# KiCad board NX-IndicatorBoard.kicad_pcb
title: NX-IndicatorBoard; date: 2023-09-04; rev: 1; company: 971 Spartan Robotics
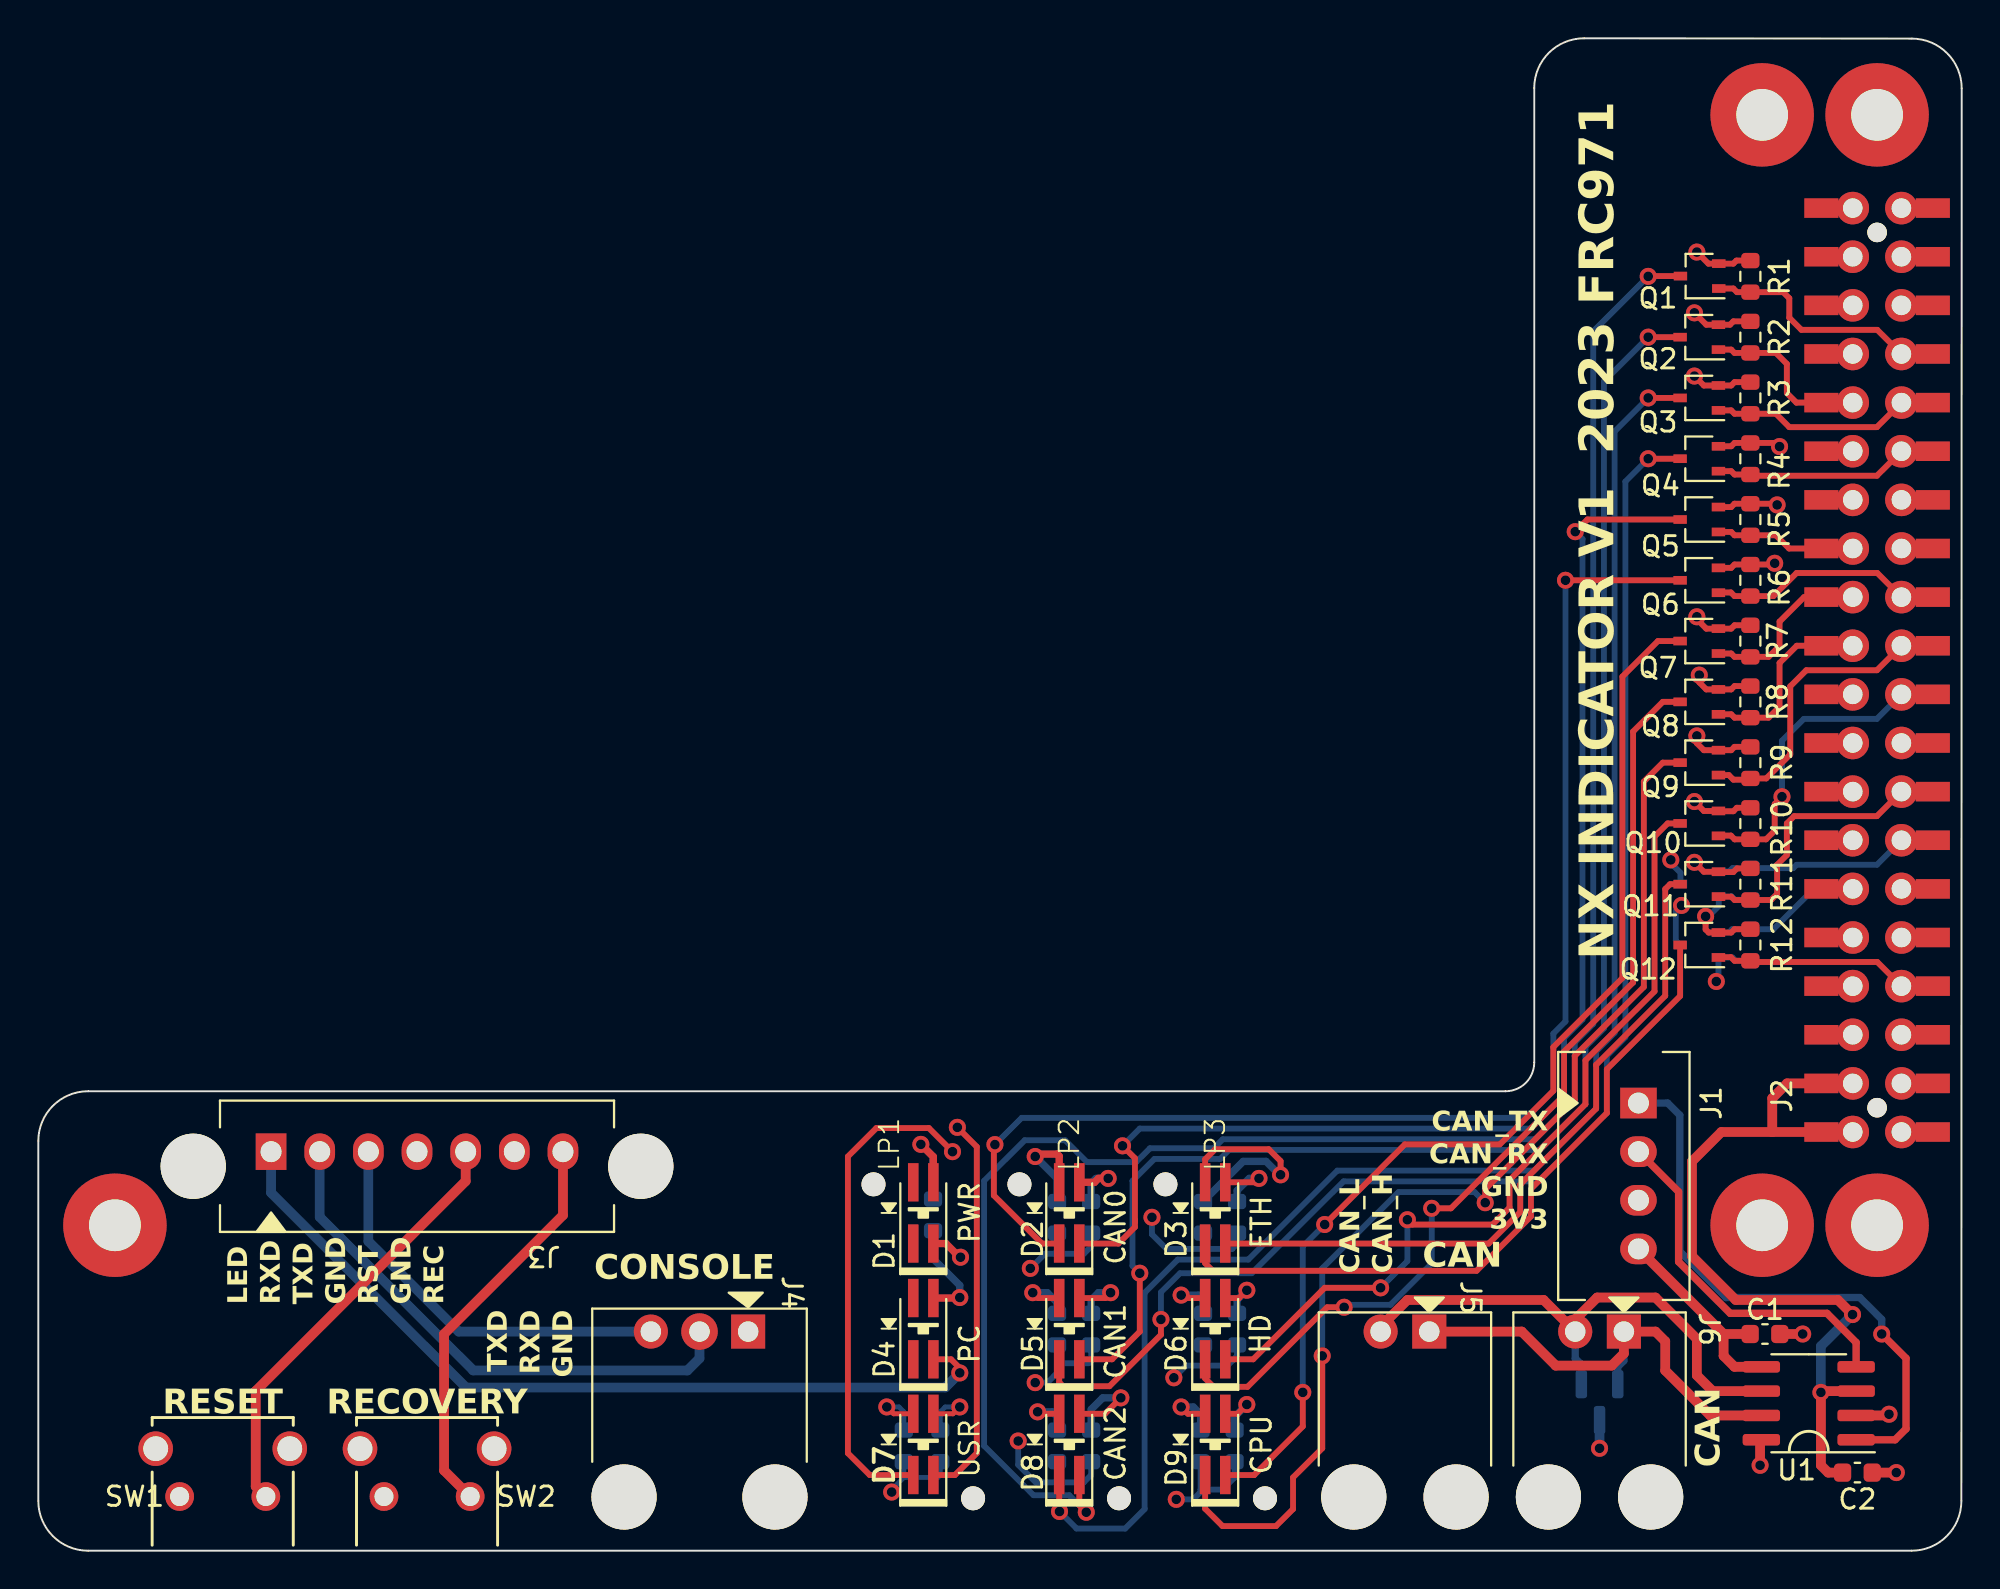
[diagram p0: board, top side]
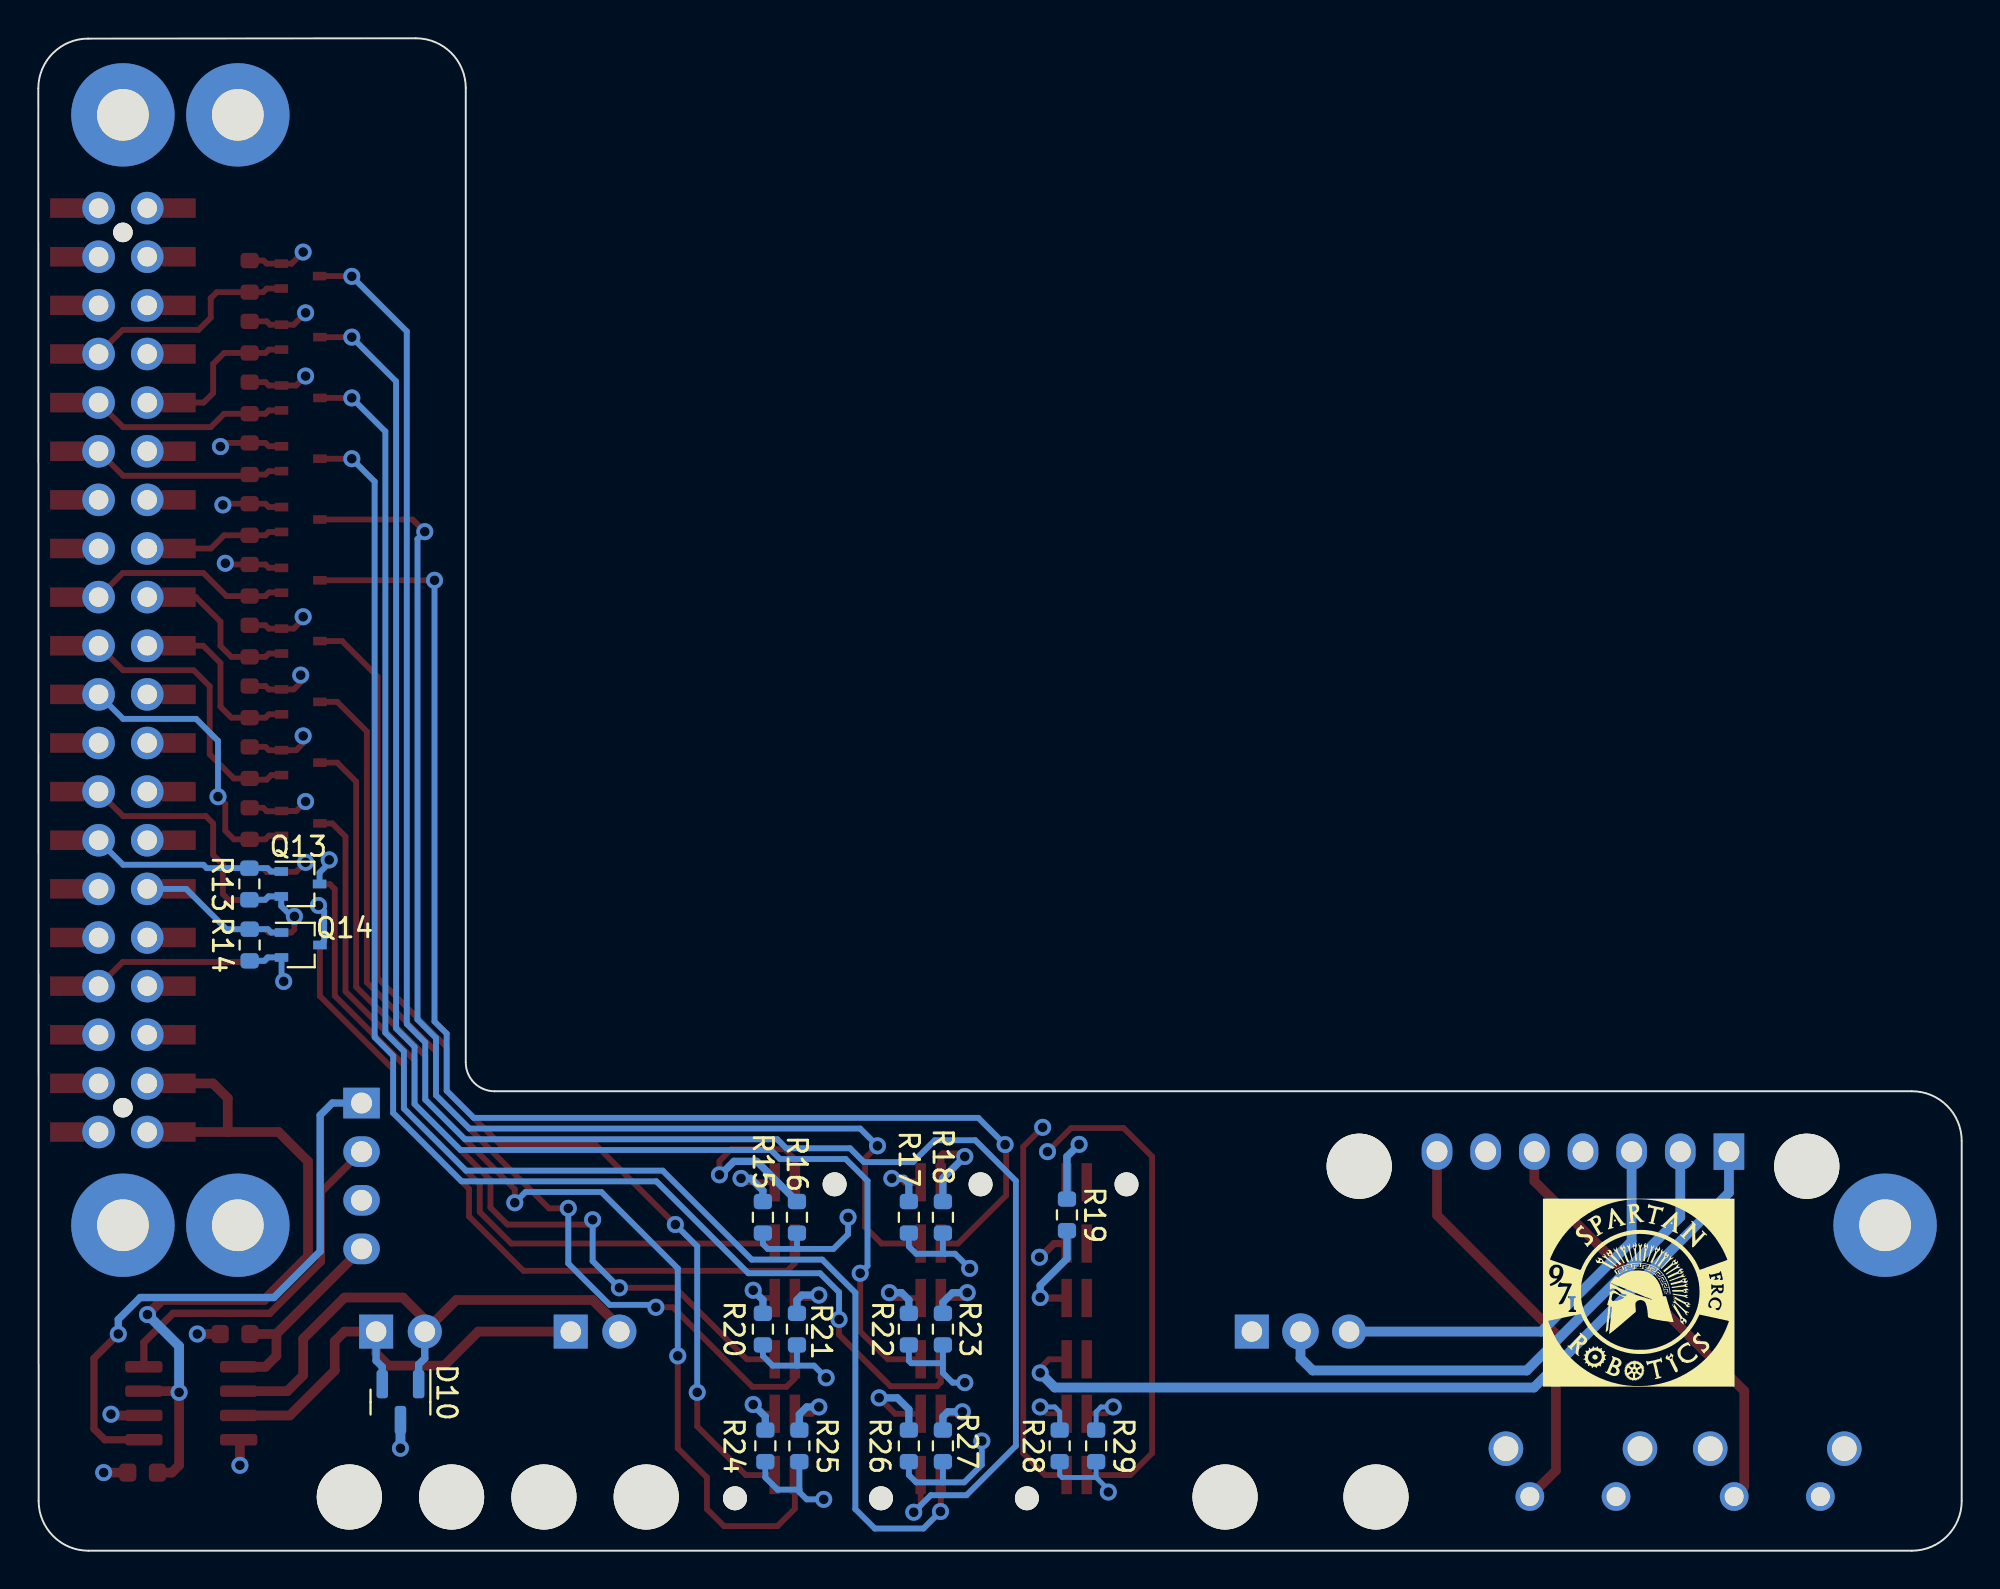
[diagram p1: board, bottom side, seen from below]

Outline 100.42 x 79 mm; copper layers: Top, In1.Cu, In2.Cu, Bottom. Coordinates in mm from the lower left corner of the outline.
Outline path: 0,21.4 arc(0.76,23.24) 2.6,24 76.6,24 arc(77.66,24.44) 78.1,25.5 78.1,76.4 arc(78.86,78.24) 80.7,79 97.82,78.98 arc(99.66,78.22) 100.42,76.38 100.4,2.6 arc(99.64,0.76) 97.8,0 2.6,0 arc(0.76,0.76) 0,2.6 0,21.4
Stack: Top 0.035mm / dielectric 0.1mm FR4 er 4.5 / In1.Cu 0.035mm / dielectric 1.24mm FR4 er 4.5 / In2.Cu 0.035mm / dielectric 0.1mm FR4 er 4.5 / Bottom 0.035mm

## Placement (name value [footprint] x y rotation side)
C1  0.1uF-10%-50V-0603  [C_0603_1608Metric]  90.15 11.32 0 top
C2  0.1uF-10%-50V-0603  [C_0603_1608Metric]  94.97 4.08 0 top
D1  PWR  [LED_SunLED_XZMDKVG55W-8]  46.2 17.64 90 top
D2  CAN0  [LED_SunLED_XZMDKVG55W-8]  53.82 17.64 90 top
D3  ETH  [LED_SunLED_XZMDKVG55W-8]  61.44 17.64 90 top
D4  PC  [LED_SunLED_XZMDKVG55W-8]  46.2 11.6 90 top
D5  CAN1  [LED_SunLED_XZMDKVG55W-8]  53.82 11.6 90 top
D6  HD  [LED_SunLED_XZMDKVG55W-8]  61.44 11.6 90 top
D7  USR  [LED_SunLED_XZMDKVG55W-8]  46.2 5.55 90 top
D8  CAN2  [LED_SunLED_XZMDKVG55W-8]  53.82 5.55 90 top
D9  CPU  [LED_SunLED_XZMDKVG55W-8]  61.44 5.55 90 top
D10  PESD1CAN  [SOT-23]  81.51 7.76 270 bottom
G1  LOGO  [Spartan Logo-FrontSilk]  16.87 13.48 180 bottom
H1  MountingHole  [MountingHole_2.7mm_M2.5_Pad]  90 75 0 top
H2  MountingHole  [MountingHole_2.7mm_M2.5_Pad]  96 75 0 top
H3  MountingHole  [MountingHole_2.7mm_M2.5_Pad]  4 17 0 top
H4  MountingHole  [MountingHole_2.7mm_M2.5_Pad]  90 17 0 top
H5  MountingHole  [MountingHole_2.7mm_M2.5_Pad]  96 17 0 top
J1  CAN-NX  [70543-0003]  83.54 23.38 90 top
J2  NX Expansion  [M20-782045]  96 21.87 90 top
J3  NX-BUTTON  [70541-0006]  12.15 20.84 180 top
J4  CONSOLE  [70555-0002]  34.52 11.45 270 top
J5  CAN-PT-NX  [70555-0001]  71.35 11.45 270 top
J6  CAN-NX  [70555-0001]  81.51 11.45 270 top
LP1  Lumex-3x-Light-Pipe  [LUMEX-LPF-C013301S]  46.2 10.94 90 top
LP2  Lumex-3x-Light-Pipe  [LUMEX-LPF-C013301S]  53.82 10.94 90 top
LP3  Lumex-3x-Light-Pipe  [LUMEX-LPF-C013301S]  61.44 10.94 90 top
Q1  BSS138W  [SOT-323_SC-70]  86.73 66.58 180 top
Q2  BSS138W  [SOT-323_SC-70]  86.72 63.39 180 top
Q3  BSS138W  [SOT-323_SC-70]  86.72 60.21 180 top
Q4  BSS138W  [SOT-323_SC-70]  86.72 57.04 180 top
Q5  BSS138W  [SOT-323_SC-70]  86.72 53.86 180 top
Q6  BSS138W  [SOT-323_SC-70]  86.72 50.69 180 top
Q7  BSS138W  [SOT-323_SC-70]  86.72 47.51 180 top
Q8  BSS138W  [SOT-323_SC-70]  86.72 44.34 180 top
Q9  BSS138W  [SOT-323_SC-70]  86.72 41.16 180 top
Q10  BSS138W  [SOT-323_SC-70]  86.72 37.99 180 top
Q11  BSS138W  [SOT-323_SC-70]  86.72 34.81 180 top
Q12  BSS138W  [SOT-323_SC-70]  86.72 31.64 180 top
Q13  BSS138W  [SOT-323_SC-70]  86.73 34.83 180 bottom
Q14  BSS138W  [SOT-323_SC-70]  86.72 31.64 180 bottom
R1  10k-1%-0603  [R_0603_1608Metric]  89.38 66.56 270 top
R2  10k-1%-0603  [R_0603_1608Metric]  89.38 63.39 270 top
R3  10k-1%-0603  [R_0603_1608Metric]  89.38 60.21 270 top
R4  10k-1%-0603  [R_0603_1608Metric]  89.38 57.04 270 top
R5  10k-1%-0603  [R_0603_1608Metric]  89.38 53.86 270 top
R6  10k-1%-0603  [R_0603_1608Metric]  89.38 50.69 270 top
R7  10k-1%-0603  [R_0603_1608Metric]  89.38 47.51 270 top
R8  10k-1%-0603  [R_0603_1608Metric]  89.38 44.34 270 top
R9  10k-1%-0603  [R_0603_1608Metric]  89.38 41.16 270 top
R10  10k-1%-0603  [R_0603_1608Metric]  89.38 37.98 270 top
R11  10k-1%-0603  [R_0603_1608Metric]  89.38 34.81 270 top
R12  10k-1%-0603  [R_0603_1608Metric]  89.38 31.64 270 top
R13  10k-1%-0603  [R_0603_1608Metric]  89.4 34.83 90 bottom
R14  10k-1%-0603  [R_0603_1608Metric]  89.38 31.64 90 bottom
R15  499R-1%-0603  [R_0603_1608Metric]  62.59 17.42 270 bottom
R16  499R-1%-0603  [R_0603_1608Metric]  60.81 17.42 270 bottom
R17  499R-1%-0603  [R_0603_1608Metric]  54.97 17.42 270 bottom
R18  499R-1%-0603  [R_0603_1608Metric]  53.19 17.42 270 bottom
R19  499R-1%-0603  [R_0603_1608Metric]  46.71 17.54 270 bottom
R20  499R-1%-0603  [R_0603_1608Metric]  62.59 11.57 270 bottom
R21  499R-1%-0603  [R_0603_1608Metric]  60.81 11.57 270 bottom
R22  499R-1%-0603  [R_0603_1608Metric]  54.97 11.57 270 bottom
R23  499R-1%-0603  [R_0603_1608Metric]  53.19 11.57 270 bottom
R24  499R-1%-0603  [R_0603_1608Metric]  62.46 5.48 270 bottom
R25  499R-1%-0603  [R_0603_1608Metric]  60.68 5.48 270 bottom
R26  499R-1%-0603  [R_0603_1608Metric]  54.97 5.48 270 bottom
R27  499R-1%-0603  [R_0603_1608Metric]  53.19 5.48 270 bottom
R28  499R-1%-0603  [R_0603_1608Metric]  47.09 5.48 270 bottom
R29  499R-1%-0603  [R_0603_1608Metric]  45.19 5.48 270 bottom
SW1  RESET  [SW_TL1105VF100Q_EWI]  7.38 2.83 0 top
SW2  RECOVERY  [SW_TL1105VF100Q_EWI]  18.05 2.83 0 top
U1  MCP2542FDT-E/SN  [SOIC-8_3.9x4.9mm_P1.27mm]  92.43 7.7 180 top

## Library data of the parts
C1 C2 = -: Description: Unpolarized capacitor; MFG: Samsung Electro-Mechanics; MFG P/N: CL10B104KB8NNNC; Page: 2/3
D1-D9 = -: Description: Light emitting diode; DIST: Digikey; DIST P/N: 1497-1183-1-ND; MFG: SunLED; MFG P/N: XZMDKVG55W-8; Page: 3/3
D10 = -: MFG: Nexperia; MFG P/N: PESD1CAN,215; Page: 2/3
H1-H5 = -: Description: Mounting Hole without connection
J1 = -: Description: Generic connector, single row, 01x04, script generated; DIST: Digikey; DIST P/N: WM4802-ND; MFG: Molex; MFG P/N: 0705430003
J2 = -: Description: Generic connector, double row, 02x20, odd/even pin numbering scheme (row 1 odd numbers, row 2 even numbers), script generated (kicad-library-utils/schlib/autogen/connector/); DIST: Digikey; DIST P/N: 952-3218-ND; MFG: Harwin; MFG P/N: M20-7812045
J3 = -: Description: Generic connector, single row, 01x07, script generated; DIST: Digikey; DIST P/N: WM4805-ND; MFG: Molex; MFG P/N: 0705430006
J4 = -: Description: Generic connector, single row, 01x03, script generated; DIST: Digikey; DIST P/N: WM4165-ND; MFG: Molex; MFG P/N: 0705550002
J5 J6 = -: Description: Generic connector, single row, 01x02, script generated; DIST: Digikey; DIST P/N: WM4166-ND; MFG: Molex; MFG P/N: 0705550003
LP1-LP3 = -: Description: Light Pipe 3 High Clear Rigid Board Mount, Press Fit, Right Angle; DIST: Digikey; DIST P/N: 67-1851-ND; MFG: Lumex; MFG P/N: LPF-C013301S; Page: 3/3
Q1-Q14 = -: Description: 50V Vds, 0.22A Id, N-Channel MOSFET, SOT-23; DIST: Digikey; DIST P/N: BSS138WCT-ND; MFG: onsemi; Page: 3/3
R1-R29 = -: Description: Resistor, US symbol; DIST: Digikey; Page: 3/3
SW1 SW2 = -: Description: Push button switch, generic, two pins; DIST: Digikey; DIST P/N: EG2507-ND; MFG: E-Switch; MFG P/N: TL1105VF100Q
U1 = -: Description: High-Speed CAN Transceiver, 1Mbps, 5V supply, Vio pin, -40C to +125C, SOIC-8; DIST: Digikey; DIST P/N: MCP2542FDT-E/SNCT-ND; MFG: Microchip; Page: 2/3

## Footprints (pads in the part's own frame, mm; a bottom-side part is the same pattern mirrored in y, then rotated)
70541-0006
  round 3.404 hole 3.404 unplated: (-19.304,0.762) (4.064,0.762)
  rect 1.6x1.905 hole 1.092: 1(0,0)
  oval 1.6x1.905 hole 1.092: 2(-2.54,0) 3(-5.08,0) 4(-7.62,0) 5(-10.16,0) 6(-12.7,0) 7(-15.24,0)
70543-0003
  rect 1.6x1.905 hole 1.092: 1(0,0)
  oval 1.6x1.905 hole 1.092: 2(-2.54,0) 3(-5.08,0) 4(-7.62,0)
70555-0001
  round 3.4 hole 3.4 unplated: (8.64,2.67) (8.64,-2.67)
  rect 1.778x1.778 hole 1.067: 1(0,1.27)
  round 1.778 hole 1.067: 2(0,-1.27)
70555-0002
  round 3.4 hole 3.4 unplated: (8.64,3.94) (8.64,-3.94)
  rect 1.778x1.778 hole 1.067: 1(0,2.54)
  round 1.905 hole 1.067: 2(0,0)
  round 1.778 hole 1.067: 3(0,-2.54)
C_0603_1608Metric
  rrect 0.9x0.95 smd: 1(-0.775,0) 2(0.775,0)
LED_SunLED_XZMDKVG55W-8
  rect 2x0.55 smd: 1(1.6,0.525) 2(-1.6,0.525) 3(1.6,-0.525) 4(-1.6,-0.525)
LUMEX-LPF-C013301S
  round 1.25 hole 1.25 unplated: (-8.2,-2.6) (8.2,2.6)
M20-782045
  round 1.02 hole 1.8 unplated: (1.27,0) (46.99,0)
  round 1.7 hole 1.02: 1(0,-1.27) 2(0,1.27) 3(2.54,-1.27) 4(2.54,1.27) 5(5.08,-1.27) 6(5.08,1.27) 7(7.62,-1.27) 8(7.62,1.27) 9(10.16,-1.27) 10(10.16,1.27) 11(12.7,-1.27) 12(12.7,1.27) 13(15.24,-1.27) 14(15.24,1.27) 15(17.78,-1.27) 16(17.78,1.27) 17(20.32,-1.27) 18(20.32,1.27) 19(22.86,-1.27) 20(22.86,1.27) 21(25.4,-1.27) 22(25.4,1.27) 23(27.94,-1.27) 24(27.94,1.27) 25(30.48,-1.27) 26(30.48,1.27) 27(33.02,-1.27) 28(33.02,1.27) 29(35.56,-1.27) 30(35.56,1.27) 31(38.1,-1.27) 32(38.1,1.27) 33(40.64,-1.27) 34(40.64,1.27) 35(43.18,-1.27) 36(43.18,1.27) 37(45.72,-1.27) 38(45.72,1.27) 39(48.26,-1.27) 40(48.26,1.27)
  rect 1.02x1.78 smd: 1(0,-2.91) 2(0,2.91) 3(2.54,-2.91) 4(2.54,2.91) 5(5.08,-2.91) 6(5.08,2.91) 7(7.62,-2.91) 8(7.62,2.91) 9(10.16,-2.91) 10(10.16,2.91) 11(12.7,-2.91) 12(12.7,2.91) 13(15.24,-2.91) 14(15.24,2.91) 15(17.78,-2.91) 16(17.78,2.91) 17(20.32,-2.91) 18(20.32,2.91) 19(22.86,-2.91) 20(22.86,2.91) 21(25.4,-2.91) 22(25.4,2.91) 23(27.94,-2.91) 24(27.94,2.91) 25(30.48,-2.91) 26(30.48,2.91) 27(33.02,-2.91) 28(33.02,2.91) 29(35.56,-2.91) 30(35.56,2.91) 31(38.1,-2.91) 32(38.1,2.91) 33(40.64,-2.91) 34(40.64,2.91) 35(43.18,-2.91) 36(43.18,2.91) 37(45.72,-2.91) 38(45.72,2.91) 39(48.26,-2.91) 40(48.26,2.91)
MountingHole_2.7mm_M2.5_Pad
  round 5.4 hole 2.7: 1(0,0)
R_0603_1608Metric
  rrect 0.8x0.95 smd: 1(-0.825,0) 2(0.825,0)
SOIC-8_3.9x4.9mm_P1.27mm
  rrect 1.95x0.6 smd: 1(-2.475,1.905) 2(-2.475,0.635) 3(-2.475,-0.635) 4(-2.475,-1.905) 5(2.475,-1.905) 6(2.475,-0.635) 7(2.475,0.635) 8(2.475,1.905)
SOT-23
  rrect 1.475x0.6 smd: 1(-0.938,0.95) 2(-0.938,-0.95) 3(0.938,0)
SOT-323_SC-70
  rect 0.7x0.45 smd: 1(-1,0.65) 2(-1,-0.65) 3(1,0)
SW_TL1105VF100Q_EWI
  round 1.499 hole 0.991: 1(0,0) 2(4.5,0)
  round 1.803 hole 1.295: 3(-1.25,2.5) 4(5.75,2.5)

## Nets
+3V3: D4.3 J2.1 J2.17 R15.2 R16.2 R17.2 R18.2 R19.2 R20.2 R21.2 R22.2 R23.2 R24.2 R25.2 R26.2 R27.2 R28.2 R29.2
/5V: C2.1 J2.2 J2.4 U1.3
/NX CAN/+3V3: C1.1 J1.4 U1.5
GND: C1.2 C2.2 D1.4 D10.3 J1.3 J2.6 J2.9 J2.14 J2.20 J2.25 J2.30 J2.34 J2.39 Q1.2 Q2.2 Q3.2 Q4.2 Q5.2 Q6.2 Q7.2 Q8.2 Q9.2 Q10.2 Q11.2 Q12.2 Q13.2 Q14.2 R1.1 R2.1 R3.1 R4.1 R5.1 R6.1 R7.1 R8.1 R9.1 R10.1 R11.1 R12.1 R13.1 R14.1 U1.2 U1.8
/CAN-NX_H+: D10.2 J5.1 J6.1 U1.7
/CAN-NX_L-: D10.1 J5.2 J6.2 U1.6
/GPIO01: J2.29 Q4.1 R4.2
/GPIO07: J2.32 Q2.1 R2.2
/GPIO09: J2.7 Q12.1 R12.2
/GPIO11: J2.31 Q3.1 R3.2
/GPIO12: J2.15 Q11.1 R11.2
/GPIO13: J2.33 Q1.1 R1.2
/I2C0_SCL: J2.28
/I2C0_SDA: J2.27
/I2C1_SCL: J2.5
/I2C1_SDA: J2.3
/I2S0_DIN: J2.38
/I2S0_DOUT: J2.40
/I2S0_FS: J2.35
/I2S0_SCLK: J2.12 Q14.1 R14.2
/NX CAN/CAN_RX: J1.2 U1.4
/NX CAN/CAN_TX: J1.1 U1.1
/NX_PC_LED-: D4.4 J3.1
/SPI0_CS1: J2.26 Q5.1 R5.2
/SPI0_MISO: J2.21 Q9.1 R9.2
/SPI0_MOSI: J2.19 Q10.1 R10.2
/SPI0_SCK: J2.23 Q6.1 R6.2
/SPI1_CS0: J2.24 Q7.1 R7.2
/SPI1_MISO: J2.22 Q8.1 R8.2
/SPI1_MOSI: J2.37
/SPI1_SCK: J2.13 Q13.1 R13.2
/SPI3_CS0: J2.18
/SPI3_CS1: J2.16
/SYS_RST_RCV_RTN: J3.4 J3.6 J4.1 SW1.1 SW2.1
/UART1_CTS: J2.36
/UART1_RTS: J2.11
/UART1_RXD: J2.10
/UART1_TXD: J2.8
/UART2_RXD: J3.2 J4.2
/UART2_TXD: J3.3 J4.3
/~{REC}: J3.7 SW2.2
/~{SYS_RESET}: J3.5 SW1.2
Net-(D1B-Green-A): D1.3 R19.1
Net-(D2A-Red-K): D2.2 Q6.3
Net-(D2A-RedA): D2.1 R18.1
Net-(D2B-Green-A): D2.3 R17.1
Net-(D2B-Green-K): D2.4 Q5.3
Net-(D3A-Red-K): D3.2 Q12.3
Net-(D3A-RedA): D3.1 R16.1
Net-(D3B-Green-A): D3.3 R15.1
Net-(D3B-Green-K): D3.4 Q11.3
Net-(D5A-Red-K): D5.2 Q4.3
Net-(D5A-RedA): D5.1 R23.1
Net-(D5B-Green-A): D5.3 R22.1
Net-(D5B-Green-K): D5.4 Q2.3
Net-(D6A-Red-K): D6.2 Q8.3
Net-(D6A-RedA): D6.1 R21.1
Net-(D6B-Green-A): D6.3 R20.1
Net-(D6B-Green-K): D6.4 Q10.3
Net-(D7A-Red-K): D7.2 Q14.3
Net-(D7A-RedA): D7.1 R29.1
Net-(D7B-Green-A): D7.3 R28.1
Net-(D7B-Green-K): D7.4 Q13.3
Net-(D8A-Red-K): D8.2 Q3.3
Net-(D8A-RedA): D8.1 R27.1
Net-(D8B-Green-A): D8.3 R26.1
Net-(D8B-Green-K): D8.4 Q1.3
Net-(D9A-Red-K): D9.2 Q9.3
Net-(D9A-RedA): D9.1 R25.1
Net-(D9B-Green-A): D9.3 R24.1
Net-(D9B-Green-K): D9.4 Q7.3

Pads without a net: D1 1 2; D4 1 2; H1 1; H2 1; H3 1; H4 1; H5 1; SW1 3 4; SW2 3 4

## Via types
v1: diameter 0.889, hole 0.508, Top to Bottom, 71 vias

## Routing (per net, layer and track width the routed paths; a pad name or vN(x,y) marks a point on that pad's centre or on a via; arc(x,y) is an arc through that point)
+3V3: length 46.8
  Top w0.381: D4.3 48.08,13.2 v1(48.11,13.22)
  Bottom w0.254: R29.2 45.19,3.83 ; 45.19,3.83 44.55,3.19 v1(44.55,3.06) ; 45.19,3.83 46.97,3.83 47.09,3.95 R28.2
  Bottom w0.305: R16.2 60.81,15.76 ; 60.81,15.76 58.9,15.76 58.14,16.53 v1(58.14,17.42) ; 60.81,15.76 62.33,15.76 62.59,16.02 R15.2 ; R27.2 53.19,3.57 ; 53.19,3.57 52.07,3.57 51.16,4.49 v1(51.16,5.73) ; 53.19,3.57 54.59,3.57 54.97,3.95 R26.2 ; R21.2 60.81,9.67 ; 60.81,9.67 59.92,9.67 v1(59.28,9.03) ; 60.81,9.67 62.08,9.67 62.59,10.18 R20.2 ; R24.2 62.46,3.83 61.83,3.19 60.68,3.19 ; 60.68,3.19 R25.2 ; 60.68,3.19 60.68,3.06 60.3,2.68 v1(59.41,2.68) ; R22.2 54.97,9.92 54.84,9.8 53.19,9.8 ; 53.06,15.51 54.59,15.51 54.97,15.89 R17.2 ; 53.06,15.51 52.55,15.51 v1(51.79,14.75) ; 53.06,15.51 53.19,15.64 R18.2 ; 53.19,9.8 53.19,9.29 52.68,8.78 v1(52.05,8.78) ; 53.19,9.8 R23.2
  Bottom w0.381: R19.2 46.71,15.26 48.11,13.86 v1(48.11,13.22)
/5V: length 40
  Top w0.508: 90.53,21.87 87.87,21.87 86.34,20.34 86.34,15.38 88.62,13.1 93.96,13.1 v1(94.72,12.34) ; 90.53,21.87 J2.2 ; 90.53,21.87 90.53,23.64 91.3,24.41 J2.4 ; 94.91,8.33 93.13,8.33 v1(93.07,8.27) 93.07,4.46 93.45,4.08 C2.1
  Bottom w0.508: v1(94.72,12.34) 93.07,10.68 v1(93.07,8.27)
/NX CAN/+3V3: length 11
  Top w0.508: U1.5 88.56,9.61 87.99,10.18 87.99,11.32 ; 87.99,11.32 89.37,11.32 ; 87.99,11.32 J1.4
GND: length 53.7
  Top w0.305: R12.1 88.56,32.46 88.38,32.29 Q12.2 87.21,32.29 87.05,32.45 v1(87.05,33.13) ; R9.1 88.56,41.99 88.38,41.81 Q9.2 86.96,41.81 86.59,42.18 v1(86.59,42.56) ; Q4.2 88.38,57.69 88.56,57.86 R4.1 90.72,57.86 v1(90.91,57.67) ; v1(90.65,51.58) 90.59,51.51 R6.1 88.56,51.51 88.38,51.34 Q6.2 ; v1(86.46,61.36) 86.96,60.86 Q3.2 88.38,60.86 88.56,61.04 R3.1 ; v1(86.72,45.74) 86.72,45.36 87.08,44.99 Q8.2 88.38,44.99 88.56,45.16 R8.1 ; v1(86.46,39.13) 86.96,38.64 Q10.2 87.73,38.62 88.5,38.62 88.68,38.81 R10.1 ; R7.1 88.56,48.34 88.38,48.16 Q7.2 87.08,48.16 86.59,48.66 v1(86.59,48.78) ; Q5.2 88.38,54.51 88.56,54.69 R5.1 90.72,54.69 v1(90.78,54.63) ; R2.1 88.5,64.21 88.32,64.04 Q2.2 87.08,64.04 v1(86.46,64.66) ; R11.1 88.69,35.64 88.5,35.45 87.73,35.45 Q11.2 86.96,35.46 v1(86.46,35.96) ; 89.22,67.23 R1.1 88.66,67.39 88.5,67.23 Q1.2 87.19,67.23 v1(86.59,67.83)
  Top w0.381: D1.4 47.39,16.04 48.1,15.33 v1(48.15,15.33)
  Top w0.508: C1.2 v1(92.12,11.32) ; v1(96.62,7.13) 96.56,7.06 94.91,7.06 ; U1.8 89.89,5.73 v1(89.89,4.46) ; v1(97,4.08) C2.2
  Bottom w0.305: v1(87.61,29.73) 87.72,29.84 Q14.2 88.45,30.99 88.62,30.81 R14.1 ; R13.1 88.57,34 88.4,34.18 87.73,34.18 87.73,33.67 87.2,33.13 v1(87.05,33.13)
  Bottom w0.508: D10.3 v1(81.51,5.35)
/CAN-NX_H+: length 25.2
  Top w0.508: J6.1 82.78,10.3 82.15,9.67 79.22,9.67 77.45,11.45 J5.1 ; J6.1 84.43,11.45 84.94,10.94 84.94,9.41 87.29,7.06 U1.7 ; J6.1 82.65,11.32
  Bottom w0.381: J6.1 82.78,9.92 82.46,9.6 D10.2
/CAN-NX_L-: length 28.5
  Top w0.508: U1.6 87.41,8.33 86.59,9.16 86.59,11.06 84.43,13.22 81.38,13.22 80.24,12.08 J6.2 78.59,13.1 71.48,13.1 70.08,11.7 J5.2
  Bottom w0.381: J6.2 80.24,10.05 80.56,9.73 D10.1
/GPIO01: length 10.2
  Top w0.305: Q4.1 88.38,56.39 88.56,56.21 R4.2 89.45,56.15 95.99,56.15 J2.29
/GPIO07: length 7.4
  Top w0.305: J2.32 91.79,59.97 91.29,60.47 91.29,61.99 90.72,62.56 R2.2 88.56,62.56 88.38,62.74 Q2.1
/GPIO09: length 10.2
  Top w0.305: J2.7 96.01,30.75 89.45,30.75 R12.2 88.56,30.81 88.37,31 87.73,31 Q12.1
/GPIO11: length 10.4
  Top w0.305: Q3.1 88.38,59.56 88.56,59.39 R3.2 90.72,59.39 91.42,58.69 95.99,58.69 J2.31
/GPIO12: length 13.8
  Top w0.305: Q11.1 88.38,34.16 88.56,33.99 R11.2 90.46,33.99 90.78,34.31 90.78,35.83 91.29,36.34 91.29,37.99 91.67,38.37 95.99,38.37 J2.15
/GPIO13: length 11.5
  Top w0.305: Q1.1 88.5,65.93 88.69,65.74 R1.2 91.1,65.74 91.42,65.42 91.42,64.41 92.05,63.77 96.01,63.77 J2.33
/I2S0_SCLK: length 8
  Bottom w0.305: Q14.1 88.26,32.29 88.43,32.46 R14.2 90.59,32.46 92.7,34.57 J2.12
/NX CAN/CAN_RX: length 18.9
  Top w0.381: J1.2 85.64,18.75 85.64,15.09 88.33,12.4 93.38,12.4 94.91,10.88 94.91,9.61
/NX CAN/CAN_TX: length 30.6
  Top w0.381: v1(96.24,11.32) 97.51,10.05 97.51,6.37 96.94,5.8 94.91,5.8
  Bottom w0.381: v1(96.24,11.32) 96.24,12.08 95.1,13.22 88.11,13.22 85.7,15.64 85.7,22.75 85.07,23.38 J1.1
/NX_PC_LED-: length 44.5
  Top w0.305: D4.4 47.65,10 48.11,9.54 v1(48.11,9.29)
  Bottom w0.508: J3.1 12.15,18.7 22.33,8.53 47.35,8.53 v1(48.11,9.29)
/SPI0_CS1: length 5.7
  Top w0.305: J2.26 91.41,52.35 90.72,53.04 R5.2 88.56,53.04 88.38,53.21 Q5.1
/SPI0_MISO: length 14.6
  Top w0.305: J2.21 95.99,45.99 92.31,45.99 91.47,45.15 91.47,41.6 90.21,40.34 R9.2 89.32,40.28 88.5,40.28 88.26,40.51 Q9.1
/SPI0_MOSI: length 15.3
  Top w0.305: Q10.1 87.73,37.35 88.37,37.35 88.56,37.16 R10.2 90.2,37.16 90.65,37.61 90.65,39 v1(91.03,39.39)
  Bottom w0.305: J2.19 95.99,43.45 92.18,43.45 91.03,42.31 v1(91.03,39.39)
/SPI0_SCK: length 10.7
  Top w0.305: 87.72,50.04 87.73,50.05 88.37,50.05 88.56,49.86 R6.2 90.59,49.86 91.8,51.07 96.01,51.07 J2.23
/SPI1_CS0: length 7.5
  Top w0.305: J2.24 92.19,49.81 90.91,48.53 90.91,47.26 90.34,46.69 R7.2 88.56,46.69 88.38,46.86 Q7.1
/SPI1_MISO: length 8.3
  Top w0.305: J2.22 91.81,47.27 90.91,46.37 90.91,44.08 90.34,43.51 R8.2 88.56,43.51 88.38,43.69 Q8.1
/SPI1_SCK: length 10.2
  Bottom w0.305: J2.13 95.99,35.83 91.8,35.83 91.62,35.65 R13.2 88.45,35.65 88.27,35.48 Q13.1
/UART2_RXD: length 28.2
  Bottom w0.508: J4.2 34.52,10.05 33.89,9.41 22.71,9.41 14.69,17.43 J3.2
/UART2_TXD: length 21.4
  Bottom w0.508: J3.3 17.23,16.16 21.95,11.45 J4.3
/~{REC}: length 21.1
  Top w0.508: J3.7 27.39,17.53 21.19,11.32 21.19,4.19 SW2.2
/~{SYS_RESET}: length 22.8
  Top w0.508: J3.5 22.31,19.3 11.35,8.34 11.35,3.36 SW1.2
Net-(D1B-Green-A): length 5.4
  Top w0.381: v1(46.08,21.22) 46.73,20.57 D1.3
  Bottom w0.381: v1(46.08,21.22) 46.71,20.59 R19.1
Net-(D2A-Red-K): length 70.4
  Top w0.305: v1(49.94,21.21) 49.89,21.16 49.89,18.56 52.4,16.04 53.3,16.04 ; Q6.3 v1(79.73,50.69)
  Bottom w0.305: v1(79.73,50.69) 79.73,27.65 79.1,27.01 79.1,24.03 77.68,22.61 51.34,22.61 v1(49.94,21.21)
Net-(D2A-RedA): length 5.5
  Top w0.381: 53.3,19.24 53.3,20.61 53.19,20.72 52.17,20.72 v1(52.05,20.59)
  Bottom w0.381: v1(52.05,20.59) 53.19,19.45 R18.1
Net-(D2B-Green-A): length 3.5
  Top w0.381: v1(55.86,19.45) 55.35,19.45 55.14,19.24 D2.3
  Bottom w0.381: v1(55.86,19.45) 55.22,19.45 54.97,19.19 R17.1
Net-(D2B-Green-K): length 67.8
  Top w0.305: v1(80.24,53.23) 80.88,53.86 Q5.3 ; 57.25,17.29 57.25,17.16 ; 57.25,17.29 57.25,16.91 56.39,16.04 D2.4 ; 57.25,17.29 57.25,20.5 v1(56.6,21.15)
  Bottom w0.305: v1(56.6,21.15) 57.51,22.05 77.91,22.05 79.66,23.79 79.66,26.78 80.62,27.74 80.62,52.85 v1(80.24,53.23)
Net-(D3A-Red-K): length 36.8
  Top w0.305: D3.2 60.92,15.02 61.32,14.62 75.09,14.62 77.93,17.46 77.93,18.9 81.89,22.86 81.89,25.15 85.72,28.97 Q12.3
Net-(D3A-RedA): length 11.6
  Top w0.305: v1(64.86,19.63) 64.86,20.35 64.24,20.97 61.44,20.97 60.92,20.45 D3.1
  Bottom w0.381: R16.1 62.91,20.34 64.1,20.34 64.62,19.82 64.62,19.63 v1(64.86,19.63)
Net-(D3B-Green-A): length 4
  Top w0.305: 61.97,19.24 63.53,19.24 v1(63.73,19.45)
  Top w0.381: v1(63.73,19.45) 63.6,19.45
  Bottom w0.381: R15.1 62.59,18.81 63.22,19.45 v1(63.73,19.45)
Net-(D3B-Green-K): length 37
  Top w0.305: Q11.3 85.19,34.81 84.94,34.56 84.94,28.99 81.33,25.38 81.33,23.09 77.37,19.13 77.37,17.69 75.72,16.04 61.97,16.04
Net-(D5A-Red-K): length 73.8
  Top w0.305: 53.3,10 53.3,8.8 53.5,8.59 55.92,8.59 58.61,11.28 v1(58.61,12.08) ; Q4.3 v1(84.05,57.04)
  Bottom w0.305: v1(58.61,12.08) 58.61,13.5 59.61,14.49 63.35,14.49 68.15,19.29 78.32,19.29 81.89,22.87 81.89,25.85 82.86,26.82 82.86,55.85 v1(84.05,57.04)
Net-(D5A-RedA): length 3.5
  Top w0.305: 53.3,13.2 52.2,13.2 v1(51.92,13.48)
  Bottom w0.381: R23.1 53.19,12.97 52.68,13.48 v1(51.92,13.48)
Net-(D5B-Green-A): length 3.6
  Top w0.305: D5.3 55.7,13.2 v1(55.98,13.48)
  Bottom w0.381: v1(55.98,13.48) 55.35,13.48 54.97,13.1 R22.1
Net-(D5B-Green-K): length 80.2
  Top w0.305: v1(57.51,14.49) 57.51,11.45 56.06,10 D5.4 ; Q2.3 v1(84.05,63.39)
  Bottom w0.305: v1(84.05,63.39) 81.74,61.08 81.74,27.28 80.77,26.32 80.77,23.33 78.37,20.93 62.17,20.93 61.7,20.46 58.27,20.46 57.13,19.32 57.13,14.88 v1(57.51,14.49)
Net-(D6A-Red-K): length 51.5
  Top w0.305: v1(72.75,17.88) 73.75,17.88 79.66,23.79 79.66,26.07 83.26,29.68 83.26,42.79 84.81,44.34 Q8.3 ; D6.2 60.92,9 61.36,8.56 63.13,8.56 67.29,12.72 v1(68.18,12.72)
  Bottom w0.305: v1(68.18,12.72) 68.3,12.84 70.59,12.84 72.75,15 v1(72.75,17.88)
Net-(D6A-RedA): length 3.3
  Top w0.305: v1(59.67,13.35) 59.82,13.2 D6.1
  Bottom w0.381: v1(59.67,13.35) 60.56,13.35 60.81,13.1 R21.1
Net-(D6B-Green-A): length 2.7
  Top w0.305: v1(63.09,13.61) 62.69,13.2 61.97,13.2
  Bottom w0.381: R20.1 62.59,13.1 v1(63.09,13.61)
Net-(D6B-Green-K): length 43.7
  Top w0.305: Q10.3 85.07,37.99 84.38,37.3 84.38,29.22 80.77,25.61 80.77,23.32 76.81,19.36 76.81,17.92 75.92,17.03 71.73,17.03 v1(71.48,17.29) ; v1(70.08,13.73) 67.16,13.73 63.43,10 61.97,10
  Bottom w0.305: v1(71.48,17.29) 71.48,15.13 v1(70.08,13.73)
Net-(D7A-Red-K): length 77.2
  Top w0.305: 45.68,3.95 45.68,3.95 43.41,3.95 42.27,5.1 42.27,20.59 43.75,22.08 46.5,22.08 v1(47.73,20.84)
  In1.Cu w0.305: v1(85.79,33.7) 80.4,33.7 80.29,33.59 80.29,24.04 78.31,22.06 49.51,22.06 48.29,20.84 v1(47.73,20.84)
  Bottom w0.305: v1(85.79,33.7) 85.49,33.41 85.49,31.86 Q14.3
Net-(D7A-RedA): length 3.5
  Top w0.254: v1(44.3,7.51) 44.65,7.15 45.68,7.15
  Bottom w0.254: R29.1 45.19,7.25 44.93,7.51 v1(44.3,7.51)
Net-(D7B-Green-A): length 3.6
  Top w0.254: D7.3 47.75,7.15 v1(48.11,7.51)
  Bottom w0.254: v1(48.11,7.51) 47.35,7.51 47.09,7.25 R28.1
Net-(D7B-Green-K): length 70.7
  Top w0.305: D7.4 46.73,3.95 47.86,3.95 49,5.1 49,21.1 v1(47.98,22.11)
  In1.Cu w0.305: v1(85.23,36.08) 81.26,36.08 79.73,34.56 79.73,24.27 78.08,22.62 48.49,22.62 v1(47.98,22.11)
  Bottom w0.305: Q13.3 85.73,35.42 85.23,35.92 v1(85.23,36.08)
Net-(D8A-Red-K): length 85.9
  Top w0.305: Q3.3 v1(84.05,60.21) ; 53.32,4.07 53.3,4.09 ; v1(53.32,2.05) 53.3,2.06 53.3,3.95
  Bottom w0.305: v1(84.05,60.21) 82.3,58.46 82.3,27.05 81.33,26.08 81.33,23.1 78.08,19.85 67.82,19.85 63.17,15.21 59.49,15.21 57.76,13.48 57.76,2.17 56.75,1.16 54.2,1.16 v1(53.32,2.05)
Net-(D8A-RedA): length 3
  Top w0.305: 53.3,7.15 52.27,7.15 v1(52.17,7.25)
  Bottom w0.381: v1(52.17,7.25) 52.94,7.25 53.19,7 R27.1
Net-(D8B-Green-A): length 5.4
  Top w0.305: v1(56.52,7.98) 55.69,7.15 D8.3
  Bottom w0.381: R26.1 54.97,7.38 55.57,7.98 v1(56.52,7.98)
Net-(D8B-Green-K): length 102.6
  Top w0.305: Q1.3 84.06,66.58 v1(84.05,66.56) ; 54.33,4.07 54.35,4.09 ; D8.4 54.35,2.37 v1(54.71,2.01)
  Bottom w0.305: v1(84.05,66.56) 81.18,63.69 81.18,27.51 80.21,26.55 80.21,23.56 78.14,21.49 61.84,21.49 61.37,21.02 58.04,21.02 57.31,20.3 54.75,20.3 53.61,21.44 51.5,21.44 49.38,19.32 49.38,5.48 51.96,2.9 53.82,2.9 v1(54.71,2.01)
Net-(D9A-Red-K): length 58.4
  Top w0.305: Q9.3 84.81,41.16 83.82,40.17 83.82,29.45 80.21,25.84 80.21,23.56 75.54,18.88 v1(75.54,18.18) ; v1(67.03,10.18) 67.03,5.35 65.51,3.83 65.51,2.17 64.62,1.29 61.83,1.29 60.92,2.19 D9.2
  Bottom w0.305: v1(75.54,18.18) 74.98,18.74 71.02,18.74 67.03,14.75 v1(67.03,10.18)
Net-(D9A-RedA): length 3.4
  Top w0.305: D9.1 60.02,7.15 v1(59.67,7.51)
  Bottom w0.381: R25.1 60.68,7.13 60.3,7.51 v1(59.67,7.51)
Net-(D9B-Green-A): length 2.9
  Top w0.305: v1(63.09,7.64) 62.61,7.15 61.97,7.15
  Bottom w0.381: R24.1 62.46,7 v1(63.09,7.64)
Net-(D9B-Green-K): length 57.9
  Top w0.305: Q7.3 84.56,47.51 82.7,45.66 82.7,29.91 79.1,26.31 79.1,24.02 76.3,21.22 71.35,21.22 v1(67.16,17.04) ; v1(66.02,8.27) 66.02,6.49 63.48,3.95 63.48,3.95 61.97,3.95
  Bottom w0.305: v1(66.02,8.27) 66.02,15.9 v1(67.16,17.04)

## Copper pours and planes (outline as drawn; the poured copper is in the pictures)
+3V3 on In1.Cu: 41.63,0.91 97.51,0.91 99.54,3.06 99.54,71.64 78.84,71.64 78.84,24.91 77.7,23.26 41.63,23.13
GND on In2.Cu: 41.63,0.91 97.51,0.91 99.54,3.06 99.54,71.64 78.84,71.64 78.84,24.91 77.7,23.26 41.63,23.26
/SYS_RST_RCV_RTN on In2.Cu: 41.12,23.26 41.12,0.91 4.8,0.91 4.8,23.26

## Text on the board
Bottom: ${LAYER}
B.Fab: ${LAYER}
B.Mask: ${LAYER}
B.Paste: ${LAYER}
B.Silkscreen: ${LAYER}
User.Comments: ${LAYER}
User.Drawings: ${LAYER}
Edge.Cuts: ${LAYER}
Top: ${LAYER}
F.Fab: ${LAYER}
F.Mask: ${LAYER}
F.Paste: ${LAYER}
F.Silkscreen: ${LAYER} | CAN_TX / CAN_RX / GND / 3V3 | LED / RXD / TXD / GND / RST / GND / REC | CAN_L / CAN_H | TXD / RXD / GND | RESET | RECOVERY | CONSOLE | CAN | NX INDICATOR V1  2023 FRC971
In1.Cu: ${LAYER}
In2.Cu: ${LAYER}
User.1: F.Silkscreen | F.Paste | F.Mask | F.Cu | Dielectric 1 | In1.Cu | Dielectric 2 | In2.Cu | Dielectric 3 | B.Cu | B.Mask | B.Paste | B.Silkscreen | Top Silk Screen | Top Solder Paste | Top Solder Mask | copper | prepreg | core | Bottom Solder Mask | Bottom Solder Paste | Bottom Silk Screen | Not specified | FR4 | 1 oz Cu | 0 mm | 0.15 mm | 0.01 mm | 0.035 mm | White | Green | ${LAYER} | Copper Layer Count: | Board overall dimensions: | Min track/spacing: | Copper Finish: | Castellated pads: | Edge card connectors: | 4 | 100.4170 mm x 79.0000 mm | 0.2540 mm / 0.2540 mm | HAL SnPb | No | Board Thickness: | Min hole diameter: | Impedance Control: | Plated Board Edge: | 1.6000 mm | 0.0000 mm | Layer Name | Type | Material | Thickness (mm) | Color | BOARD CHARACTERISTICS
User.2: ${LAYER}
